# Altium PCB Evaluation Board.PcbDoc (part 6 of 22)
Units mm, origin at the board's own origin, x right, y up, seen from the top; angles counter-clockwise.
Board outline 200 x 200 mm, 4 copper layers (Top Layer, GND, Power, Bottom Layer), stack 1.56 mm thick; 639 components, 758 nets, 3043 pads, 1306 vias.
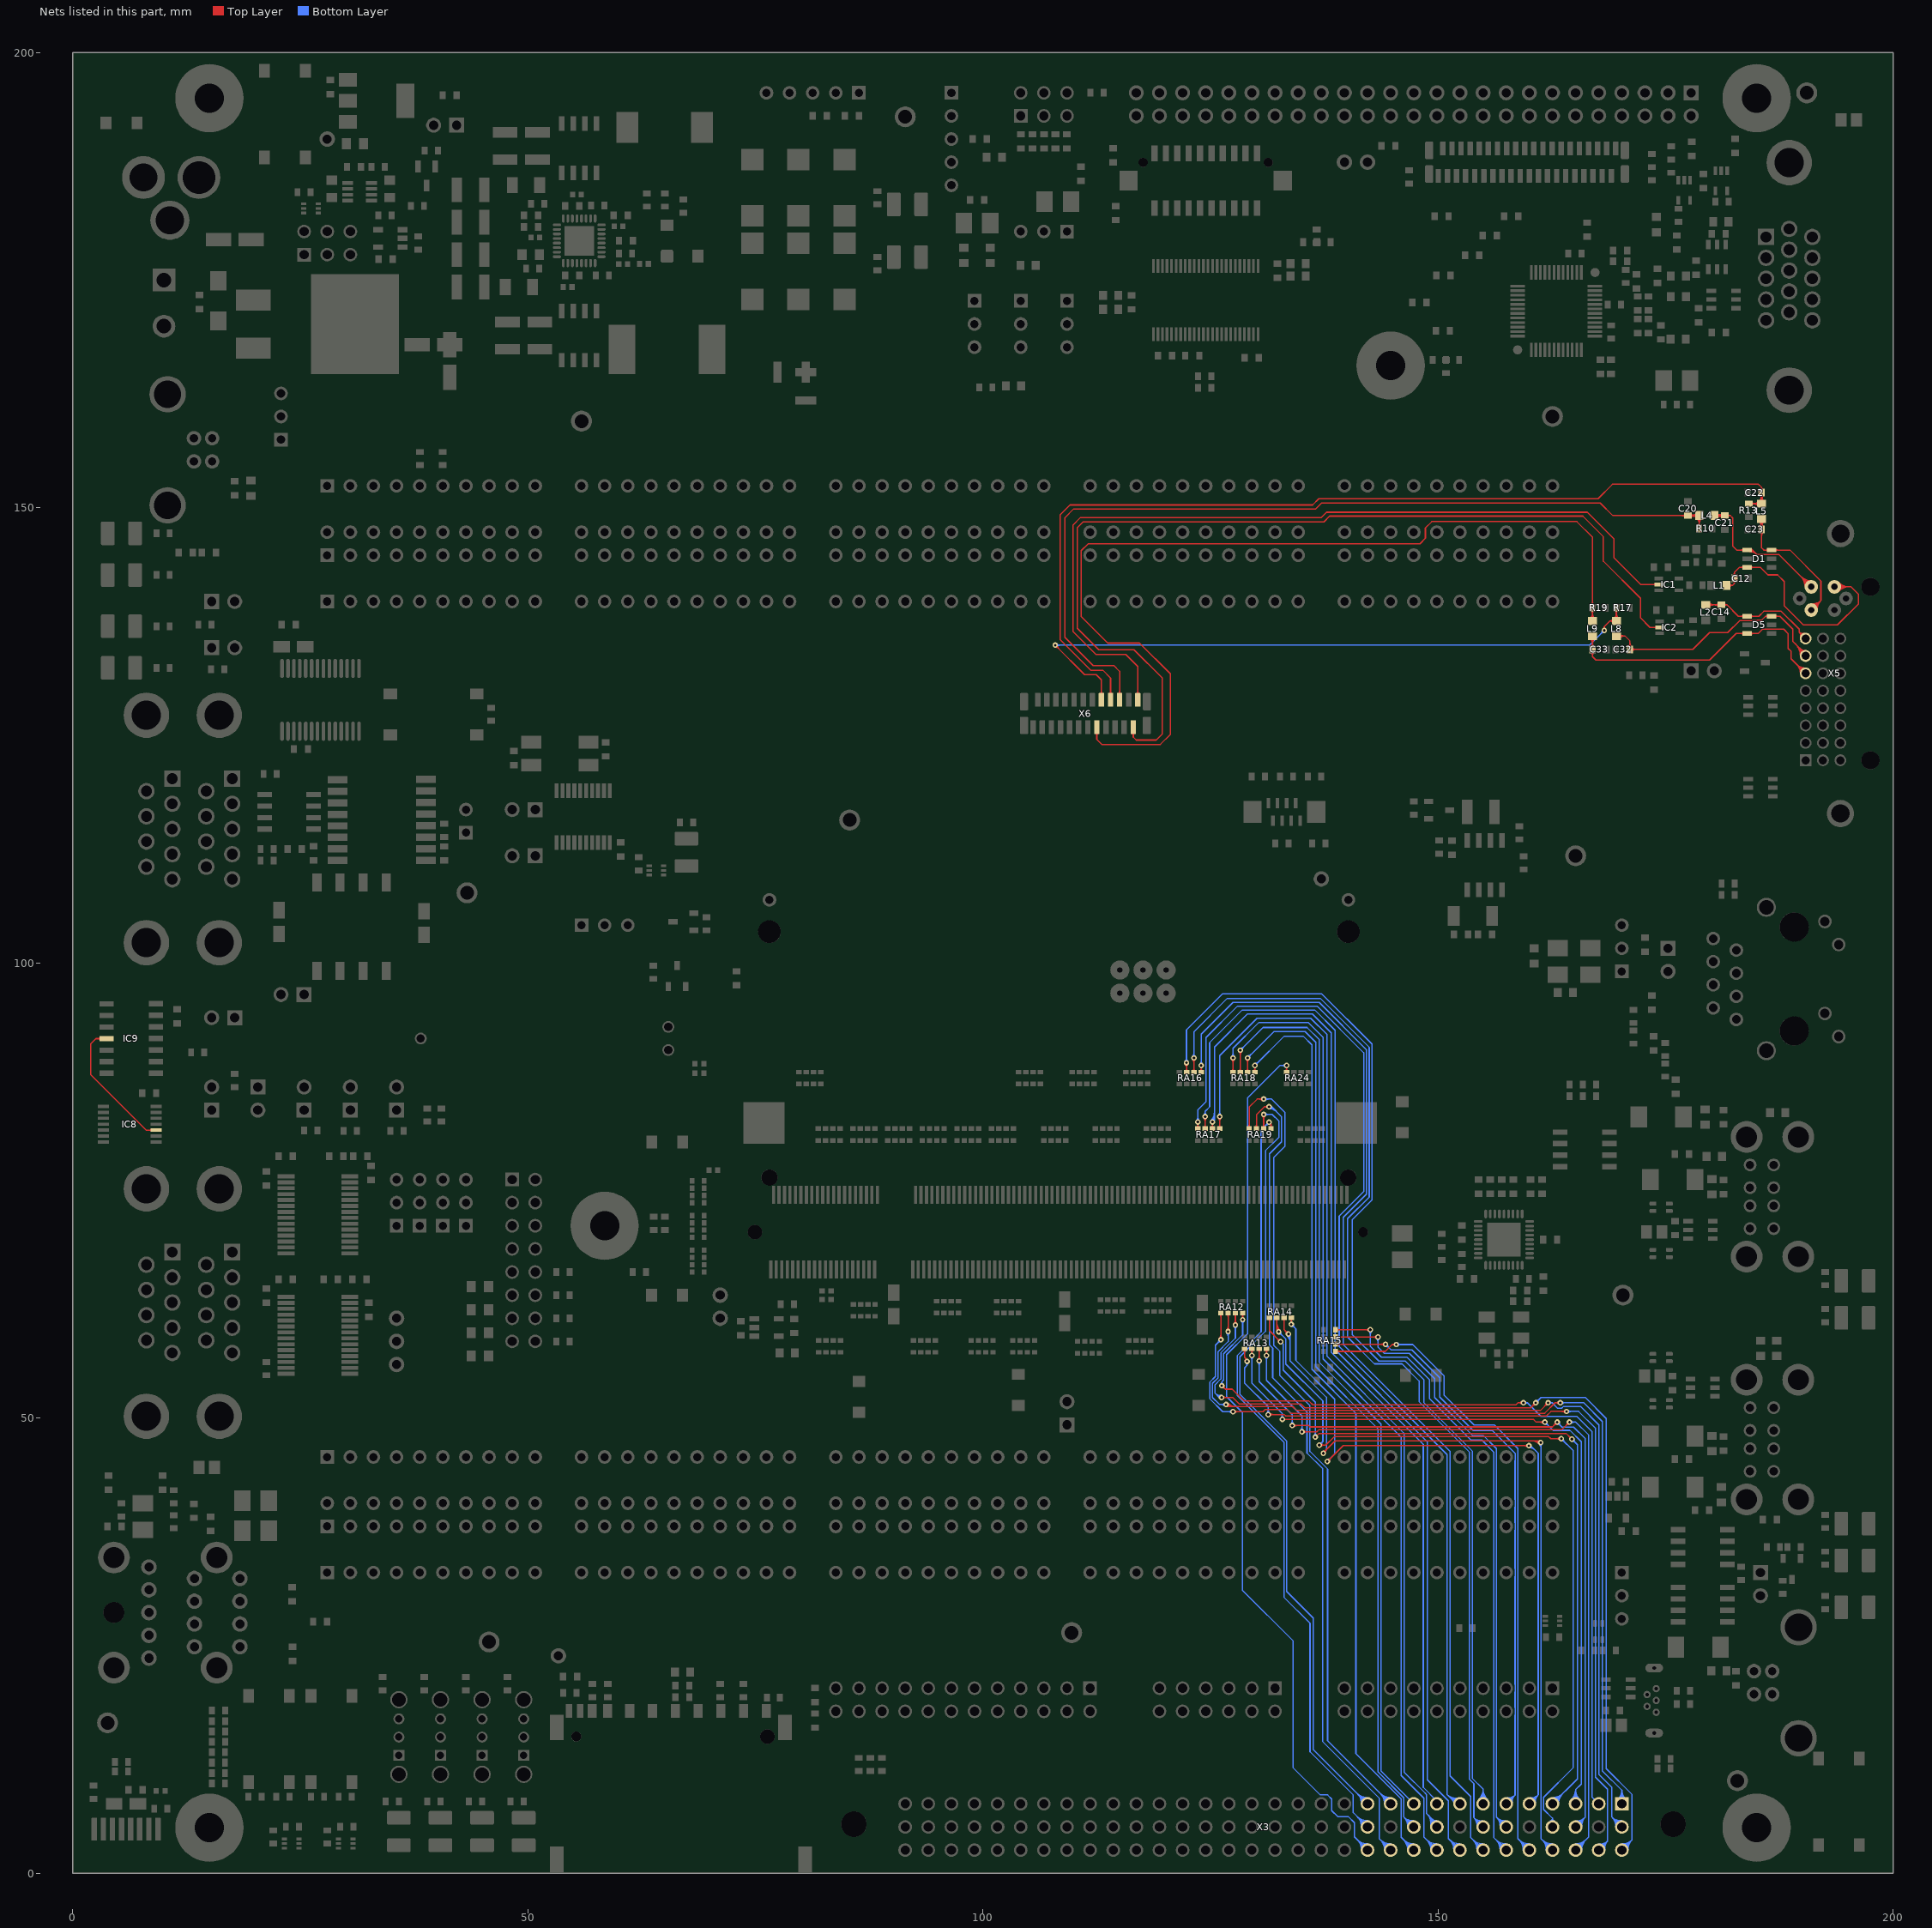
[diagram p8: the nets of this part, all layers, seen from the top]

## Via types
v1: diameter 0.6, hole 0.3, Top Layer to Bottom Layer, 1222 vias
v2: diameter 0.6, hole 0.3, Top Layer to Bottom Layer, tented both sides, 84 vias

## Nets (pads, with @x,y where several pads share a name; then routed paths per layer and width w, separated by ;. In a path a pad name is that pad's centre, name@x,y a point inside that pad or via, vN(x,y) a via of type N, cw(c..) or ccw(c..) an arc to the next point about the centre after c; other vN are vias at no path point) (continued)
CRT_GREEN: C21.1 D1.1 L4.2 X5.C2 | length 29.1
  Top Layer w0.15: L4.2@180.363,149.135 C21.1@181.491,149.135 182.115,149.135 ; L4.2@180.512,148.987 cw(c180.87,148.628) 180.87,149.135 cw(c180.87,149.642) L4.2@180.512,149.284 ; L4.2@180.618,148.881 cw(c181.232,148.266) 181.232,149.135 cw(c181.232,150.004) L4.2@180.618,149.39 ; C21.1@181.177,148.999 ccw(c180.75,148.756) 180.877,149.23 ccw(c180.967,149.565) C21.1@181.217,149.325 ; C21.1@181.177,149.271 cw(c180.75,149.514) 180.877,149.04 cw(c180.967,148.706) C21.1@181.217,148.945 ; C21.1@181.221,148.941 ccw(c180.752,148.471) 180.752,149.135 ccw(c180.752,149.799) C21.1@181.221,149.33 ; C21.1@181.786,148.971 cw(c182.115,148.725) 182.115,149.135 ; C21.1@181.786,149.3 ccw(c182.115,149.546) 182.115,149.135 ; D1.1@183.542,145.226 ccw(c183.244,144.928) 183.244,145.35 ccw(c183.244,145.773) D1.1@183.542,145.474 ; D1.1@183.941,145.35 182.8,145.35 182.375,145.775 182.375,148.875 182.115,149.135 ; D1.1@184.21,145.475 cw(c184.23,145.061) 184.523,145.354 ; D1.1@184.217,145.325 cw(c184.252,144.604) 184.762,145.115 ; D1.1@184.224,145.175 cw(c184.274,144.147) 185.002,144.875 ; 184.5,145.377 185.002,144.875 ; X5.C2@190.315,141.308 ccw(c188.685,141.308) 189.838,142.46 ccw(c190.99,143.612) X5.C2@190.99,141.983 ; X5.C2@190.465,141.308 ccw(c189.198,141.308) 190.094,142.204 ccw(c190.99,143.1) X5.C2@190.99,141.833 ; X5.C2@190.615,141.308 ccw(c189.71,141.308) 190.35,141.948 ccw(c190.99,142.588) X5.C2@190.99,141.683 ; X5.C2@190.99,141.308 187.423,144.875 185.002,144.875
CRT_GREEN_T: C20.1 L4.1 R10.1 X6.20 | length 106
  Top Layer w0.15: X6.20@114.843,129.501 ccw(c114.459,129.885) 115.002,129.885 ccw(c115.545,129.885) X6.20@115.161,129.501 ; X6.20@115.002,128.891 115.002,132.023 114.375,132.65 112.1,132.65 108.975,135.775 108.975,148.9 109.95,149.875 136.55,149.875 137.2,150.525 167.8,150.525 169.19,149.135 C20.1@177.461,149.135 L4.1@178.683,149.135 ; C20.1@177.192,148.941 ccw(c176.722,148.471) 176.722,149.135 ccw(c176.722,149.799) C20.1@177.192,149.33 ; C20.1@177.73,148.941 cw(c178.2,148.471) 178.2,149.135 cw(c178.2,149.799) C20.1@177.73,149.33 ; C20.1@177.732,148.943 cw(c178.023,148.658) 178.128,149.051 ; C20.1@177.732,149.328 ccw(c178.023,149.612) 178.128,149.219 ; C20.1@177.774,148.998 cw(c178.136,148.789) 178.028,149.193 ; C20.1@177.774,149.273 ccw(c178.136,149.482) 178.028,149.078 ; L4.1@178.429,148.816 cw(c177.814,148.201) 178.683,148.201 cw(c179.552,148.201) L4.1@178.938,148.816 ; L4.1@178.429,148.881 ccw(c177.814,148.266) 177.814,149.135 ccw(c177.814,150.004) L4.1@178.429,149.39 ; R10.1@178.507,147.996 ccw(c178.08,148.423) 178.683,148.423 ccw(c179.287,148.423) R10.1@178.86,147.996 ; L4.1@178.535,148.922 cw(c178.176,148.563) 178.683,148.563 cw(c179.19,148.563) L4.1@178.832,148.922 ; L4.1@178.535,148.987 ccw(c178.176,148.628) 178.176,149.135 ccw(c178.176,149.642) L4.1@178.535,149.284 ; R10.1@178.683,147.719 L4.1@178.683,149.135 ; L4.1@178.723,149.135 L4.1@178.683,149.135
CRT_HSYNC: C12.1 D1.3 L1.2 X5.C4 | length 34.8
  Top Layer w0.15: L1.2@181.688,141.478 182.353,141.478 ; L1.2@181.989,141.281 cw(c182.353,141.044) 182.353,141.478 ; L1.2@181.989,141.675 ccw(c182.353,141.912) 182.353,141.478 ; C12.1@182.372,142.527 ccw(c182.069,142.897) 182.547,142.897 ; C12.1@182.403,141.931 cw(c182.243,141.672) 182.547,141.672 ; C12.1@182.691,141.931 ccw(c182.851,141.672) 182.547,141.672 ; C12.1@182.722,142.527 cw(c183.025,142.897) 182.547,142.897 ; D1.3@183.542,143.326 ccw(c183.244,143.028) 183.244,143.45 ccw(c183.244,143.872) D1.3@183.542,143.574 ; D1.3@184.34,143.326 cw(c184.638,143.028) 184.638,143.45 cw(c184.638,143.872) D1.3@184.34,143.574 ; X5.C4@193.54,141.308 193.557,141.325 195.35,141.325 196.175,140.5 196.175,139.425 193.875,137.125 190.125,137.125 188.025,139.225 188.025,141.9 187.3,142.625 186.226,142.625 185.401,143.45 D1.3@183.941,143.45 183.1,143.45 182.547,142.897 ; X5.C4@193.805,141.042 cw(c194.488,140.36) 194.488,141.325 ; X5.C4@193.805,141.573 ccw(c194.403,142.171) 194.403,141.325 ; X5.C4@193.911,140.936 cw(c194.85,139.998) 194.85,141.325 ; X5.C4@193.911,141.679 ccw(c194.765,142.533) 194.765,141.325 ; X5.C4@194.017,140.83 cw(c195.212,139.636) 195.212,141.325 ; X5.C4@194.017,141.785 ccw(c195.127,142.895) 195.127,141.325 ; 182.353,141.478 182.547,141.672 ; 182.547,141.672 182.547,142.897
CRT_HSYNC_T: IC1.2 X6.24 | length 94.8
  Top Layer w0.15: X6.24@116.843,129.501 ccw(c116.459,129.885) 117.002,129.885 ccw(c117.545,129.885) X6.24@117.161,129.501 ; X6.24@117.002,128.891 117.002,132.548 115.675,133.875 112.4,133.875 109.9,136.375 109.9,148.125 110.67,148.895 137.12,148.895 137.725,149.5 166.4,149.5 169.325,146.575 169.325,144.5 172.255,141.57 IC1.2@174.234,141.57 ; IC1.2@173.871,141.481 ccw(c173.657,141.268) 173.657,141.57 ccw(c173.657,141.871) IC1.2@173.871,141.658
CRT_RED: C23.1 D1.6 L5.2 X5.C1 | length 27.2
  Top Layer w0.15: L5.2@185.286,148.507 cw(c184.672,147.893) 185.541,147.893 cw(c186.41,147.893) L5.2@185.795,148.507 ; C23.1@185.346,147.365 cw(c184.877,146.895) 185.541,146.895 cw(c186.205,146.895) C23.1@185.735,147.365 ; C23.1@185.346,147.904 ccw(c184.877,148.373) 185.541,148.373 ccw(c186.205,148.373) C23.1@185.735,147.904 ; C23.1@185.351,147.908 ccw(c185.111,148.158) 185.446,148.248 ccw(c185.92,148.375) C23.1@185.677,147.948 ; L5.2@185.392,148.613 cw(c185.034,148.255) 185.541,148.255 cw(c186.048,148.255) L5.2@185.689,148.613 ; C23.1@185.405,147.948 ccw(c185.162,148.375) 185.636,148.248 ccw(c185.971,148.158) C23.1@185.731,147.908 ; L5.2@185.541,148.762 C23.1@185.541,147.634 185.541,145.584 185.8,145.325 186.616,145.325 D1.6@186.641,145.35 188.65,145.35 192.05,141.95 192.05,139.817 X5.C1@190.99,138.758 ; 185.883,145.325 ccw(c185.883,145.833) D1.6@186.242,145.474 ; 186.004,145.325 cw(c186.004,144.988) D1.6@186.242,145.226 ; D1.6@187.04,145.226 cw(c187.339,144.928) 187.339,145.35 cw(c187.339,145.773) D1.6@187.04,145.474 ; X5.C1@191.013,139.132 ccw(c191.058,139.868) 191.579,139.346 ccw(c192.1,138.825) X5.C1@191.364,138.78 ; X5.C1@191.022,139.282 ccw(c191.085,140.312) 191.814,139.582 ccw(c192.544,138.852) X5.C1@191.514,138.789 ; X5.C1@191.031,139.431 ccw(c191.112,140.756) 192.05,139.817 ccw(c192.988,138.879) X5.C1@191.664,138.799
CRT_RED_T: C22.1 L5.1 R13.1 X6.18 | length 114.5
  Top Layer w0.15: X6.18@113.843,129.501 ccw(c113.459,129.885) 114.002,129.885 ccw(c114.545,129.885) X6.18@114.161,129.501 ; X6.18@114.002,128.891 114.002,131.298 113.15,132.15 111.825,132.15 108.45,135.525 108.45,149.2 109.55,150.3 136.2,150.3 136.9,151 167.575,151 169.15,152.575 185.2,152.575 185.541,152.234 ; R13.1@184.125,150.442 L5.1@185.541,150.442 C22.1@185.541,151.664 185.541,152.234 ; R13.1@184.402,150.265 cw(c184.828,149.838) 184.828,150.442 cw(c184.828,151.045) R13.1@184.402,150.619 ; L5.1@185.221,150.187 ccw(c184.607,149.573) 184.607,150.442 ccw(c184.607,151.311) L5.1@185.221,150.696 ; L5.1@185.286,150.696 ccw(c184.672,151.311) 185.541,151.311 ccw(c186.41,151.311) L5.1@185.795,150.696 ; L5.1@185.327,150.293 ccw(c184.969,149.935) 184.969,150.442 ccw(c184.969,150.949) L5.1@185.327,150.59 ; C22.1@185.346,151.395 cw(c184.877,150.925) 185.541,150.925 cw(c186.205,150.925) C22.1@185.735,151.395 ; C22.1@185.348,151.393 cw(c185.064,151.102) 185.457,150.997 ; L5.1@185.392,150.59 ccw(c185.034,150.949) 185.541,150.949 ccw(c186.048,150.949) L5.1@185.689,150.59 ; C22.1@185.396,151.972 ccw(c185.233,152.234) 185.541,152.234 ; C22.1@185.403,151.351 cw(c185.194,150.989) 185.598,151.097 ; 185.484,151.097 cw(c185.887,150.989) C22.1@185.678,151.351 ; 185.625,150.997 cw(c186.018,151.102) C22.1@185.733,151.393 ; C22.1@185.686,151.972 cw(c185.849,152.234) 185.541,152.234
CRT_VSYNC: C14.1 D5.4 L2.2 X5.8 | length 20.3
  Top Layer w0.15: L2.2@179.395,139.332 C14.1@180.753,139.332 ; L2.2@179.608,139.183 cw(c179.967,138.825) 179.967,139.332 cw(c179.967,139.839) L2.2@179.608,139.48 ; L2.2@179.715,139.077 cw(c180.329,138.462) 180.329,139.332 cw(c180.329,140.201) L2.2@179.715,139.586 ; C14.1@180.831,139.137 ccw(c180.361,138.668) 180.361,139.332 ccw(c180.361,139.995) C14.1@180.831,139.526 ; C14.1@181.1,139.332 181.744,139.332 ; C14.1@181.391,139.161 cw(c181.744,138.881) 181.744,139.332 ; C14.1@181.391,139.502 ccw(c181.744,139.782) 181.744,139.332 ; D5.4@183.542,137.963 ccw(c183.244,137.664) 183.244,138.087 ccw(c183.244,138.509) D5.4@183.542,138.21 ; D5.4@184.34,137.963 cw(c184.638,137.664) 184.638,138.087 cw(c184.638,138.509) D5.4@184.34,138.21 ; X5.8@189.814,135.775 ccw(c189.254,135.924) 189.664,136.334 ; X5.8@189.959,135.737 ccw(c189.545,135.846) 189.848,136.149 ccw(c190.151,136.452) X5.8@190.261,136.038 ; X5.8@190.223,136.183 cw(c190.074,136.744) 189.664,136.334 ; X5.8@190.272,135.628 X5.8@190.37,135.628 189.664,136.334 ; 181.744,139.332 182.988,138.087 D5.4@183.941,138.087 185.24,138.087 185.778,138.625 187.7,138.625 189.664,136.661 189.664,136.334
CRT_VSYNC_T: IC2.2 X6.23 | length 107.2
  Top Layer w0.15: X6.23@116.343,125.282 cw(c115.959,124.898) 116.502,124.898 cw(c117.045,124.898) X6.23@116.661,125.282 ; X6.23@116.502,125.891 116.502,124.798 116.825,124.475 119.026,124.475 119.7,125.149 119.7,131.275 116.575,134.4 112.7,134.4 110.35,136.75 110.35,147.8 111,148.45 137.45,148.45 138.075,149.075 165.9,149.075 168.15,146.825 168.15,144.125 172.225,140.05 172.225,137.9 173.273,136.852 IC2.2@174.334,136.852 ; IC2.2@173.971,136.763 ccw(c173.757,136.55) 173.757,136.852 ccw(c173.757,137.153) IC2.2@173.971,136.94
DATA_0: RA12.8 X3.A1 | length 109.1
  Top Layer w0.15: v1@125.966,58.759 ccw(c125.584,59.141) 126.124,59.141 ; RA12.8@126,61.416 cw(c125.702,61.117) 126.124,61.117 cw(c126.546,61.117) RA12.8@126.248,61.416 ; 126.124,59.146 ccw(c126.671,59.146) v1@126.284,58.759 ; RA12.8@126.124,61.54 126.124,58.601 v1(126.125,58.6) ; v1(127.457,50.698) 130.756,50.698 131.008,50.95 133.375,50.95 133.8,50.525 161.7,50.525 162.85,51.675 v1(163.425,51.675) ; v1@127.616,50.539 cw(c128,50.155) 128,50.698 cw(c128,51.242) v1@127.616,50.857 ; v1@163.266,51.516 ccw(c162.882,51.132) 162.882,51.675 ccw(c162.882,52.218) v1@163.266,51.834
  Bottom Layer w0.15: v1@125.9,58.6 cw(c125.357,58.6) 125.741,58.216 cw(c126.125,57.832) v1@126.125,58.375 ; v1(126.125,58.6) 125.525,58 125.525,54.55 124.9,53.925 124.9,52.14 126.341,50.698 v1(127.457,50.698) ; v1@127.298,50.539 ccw(c126.914,50.155) 126.914,50.698 ccw(c126.914,51.242) v1@127.298,50.857 ; v1(163.425,51.675) 166,51.675 168.05,49.625 168.05,11.231 170.18,9.101 ; v1@163.584,51.516 cw(c163.968,51.132) 163.968,51.675 cw(c163.968,52.218) v1@163.584,51.834 ; X3.A1@169.737,8.13 ccw(c168.894,9.101) 170.18,9.101 ; X3.A1@169.836,8.016 ccw(c169.179,8.772) 170.18,8.772 ccw(c171.181,8.772) X3.A1@170.524,8.016 ; X3.A1@169.934,7.903 ccw(c169.465,8.443) 170.18,8.443 ccw(c170.895,8.443) X3.A1@170.426,7.903 ; X3.A1@170.18,7.62 170.18,9.101 ; X3.A1@170.623,8.13 cw(c171.466,9.101) 170.18,9.101
DATA_1: RA12.7 X3.B1 | length 112.5
  Top Layer w0.15: v1@126.642,51.433 ccw(c127.069,51.86) 127.069,51.256 ; v1(126.695,51.486) 126.925,51.256 ; v1@126.748,51.539 ccw(c127.431,52.222) 127.431,51.256 ; v1@126.766,59.659 ccw(c126.384,60.041) 126.924,60.041 ; v1@126.788,51.281 cw(c126.839,51.169) 126.925,51.256 ; RA12.7@126.8,61.416 cw(c126.502,61.117) 126.924,61.117 cw(c127.346,61.117) RA12.7@127.048,61.416 ; v1@126.854,51.645 ccw(c127.793,52.584) 127.793,51.256 ; v1@126.9,51.393 ccw(c127.012,51.342) 126.925,51.256 ; 126.924,60.046 ccw(c127.471,60.046) v1@127.084,59.659 ; RA12.7@126.924,61.54 126.924,59.501 v1(126.925,59.5) ; v1@161.85,51.675 cw(c161.307,51.675) 161.691,51.291 cw(c162.075,50.907) v1@162.075,51.45 ; v1(162.075,51.675) 161.225,50.825 134.45,50.825 134.019,51.256 126.925,51.256
  Bottom Layer w0.15: v1@126.536,51.327 ccw(c126.152,50.943) 126.152,51.486 ccw(c126.152,52.029) v1@126.536,51.645 ; v1(126.695,51.486) 125.978,51.486 125.2,52.264 125.2,53.801 125.825,54.426 125.825,57.301 126.924,58.4 126.924,59.498 v1(126.925,59.5) ; v1@126.766,59.341 cw(c126.384,58.959) 126.924,58.959 ; 126.924,58.954 cw(c127.471,58.954) v1@127.084,59.341 ; v1(162.075,51.675) 162.525,51.675 ; v1@162.255,51.54 cw(c162.525,51.338) 162.525,51.675 ; v1@162.255,51.81 ccw(c162.525,52.012) 162.525,51.675 ; X3.B1@169.506,5.106 ccw(c168.077,5.161) 169.088,6.172 ; X3.B1@169.655,5.1 ccw(c168.544,5.143) 169.331,5.929 ccw(c170.117,6.716) X3.B1@170.16,5.605 ; X3.B1@169.805,5.094 ccw(c169.012,5.125) 169.573,5.687 ccw(c170.135,6.248) X3.B1@170.166,5.455 ; X3.B1@170.154,5.754 cw(c170.099,7.183) 169.088,6.172 ; X3.B1@170.18,5.08 169.088,6.172 ; 162.525,51.675 163.125,51.075 163.567,51.075 163.767,51.275 165.625,51.275 167.675,49.225 167.675,10.85 169.088,9.437 169.088,6.172
DATA_2: RA12.6 X3.C1 | length 115.5
  Top Layer w0.15: v1(126.2,52.25) 126.2,52.255 126.207,52.263 127.438,52.263 128.145,51.556 134.919,51.556 135.35,51.125 160.175,51.125 v1(160.725,51.675) ; v1@126.359,52.091 cw(c126.774,51.676) 126.774,52.263 ; v1@126.359,52.409 ccw(c126.712,52.762) 126.712,52.263 ; v1@127.565,60.382 ccw(c127.181,60.767) 127.724,60.767 ccw(c128.267,60.767) v1@127.883,60.382 ; RA12.6@127.6,61.416 cw(c127.302,61.117) 127.724,61.117 cw(c128.146,61.117) RA12.6@127.848,61.416 ; v1(127.724,60.223) RA12.6@127.724,61.54 ; v1@160.5,51.675 cw(c159.957,51.675) 160.341,51.291 cw(c160.725,50.907) v1@160.725,51.45
  Bottom Layer w0.15: 125.718,52.488 ccw(c126.123,52.893) v1@126.191,52.324 ; v1@126.173,52.473 cw(c126.076,53.283) 125.5,52.706 ; v1(126.2,52.25) 125.956,52.25 125.5,52.706 ; v1@127.565,60.064 cw(c127.181,59.68) 127.724,59.68 cw(c128.267,59.68) v1@127.883,60.064 ; v1(127.724,60.223) 127.724,58.775 126.125,57.176 126.125,54.301 125.5,53.676 125.5,52.706 ; v1(160.725,51.675) 161.298,52.248 166.177,52.248 168.475,49.95 168.475,11.475 171.275,8.675 171.275,3.635 ; v1@160.725,51.9 ccw(c160.725,52.443) 161.109,52.059 ccw(c161.493,51.675) v1@160.95,51.675 ; X3.C1@170.18,2.54 171.275,3.635 ; X3.C1@170.194,2.915 ccw(c170.223,3.713) 170.788,3.148 ccw(c171.353,2.583) X3.C1@170.555,2.554 ; X3.C1@170.199,3.065 ccw(c170.24,4.183) 171.032,3.392 ccw(c171.823,2.6) X3.C1@170.705,2.559 ; X3.C1@170.205,3.215 ccw(c170.258,4.652) 171.275,3.635 ; X3.C1@170.855,2.565 cw(c172.292,2.618) 171.275,3.635
DATA_3: RA12.5 X3.A2 | length 97.4
  Top Layer w0.15: v1(126.225,53.55) 126.6,53.175 ; v1@126.229,53.325 cw(c126.238,52.813) 126.6,53.175 ; v1@126.45,53.546 ccw(c126.962,53.537) 126.6,53.175 ; RA12.5@128.4,61.416 cw(c128.102,61.117) 128.524,61.117 cw(c128.946,61.117) RA12.5@128.648,61.416 ; v1(128.524,60.808) RA12.5@128.524,61.54 ; v1@159.216,51.516 ccw(c158.832,51.132) 158.832,51.675 ccw(c158.832,52.218) v1@159.216,51.834 ; v1(159.375,51.675) 158.775,51.675 158.55,51.45 136.225,51.45 135.819,51.856 128.694,51.856 127.375,53.175 126.6,53.175
  Bottom Layer w0.15: v1@126.098,53.736 ccw(c125.932,53.977) 126.225,53.977 ; v1(126.225,53.55) 126.225,53.977 ; v1@126.352,53.736 cw(c126.518,53.977) 126.225,53.977 ; v1@128.365,60.649 cw(c127.981,60.264) 128.524,60.264 cw(c129.067,60.264) v1@128.683,60.649 ; v1(128.524,60.808) 128.524,59.151 126.425,57.052 126.425,54.177 126.225,53.977 ; v1(159.375,51.675) 159.8,51.675 ; v1@159.561,51.549 cw(c159.8,51.386) 159.8,51.675 ; v1@159.561,51.801 ccw(c159.8,51.964) 159.8,51.675 ; X3.A2@167.64,7.62 166.925,8.335 166.925,48.475 165.225,50.175 161.3,50.175 159.8,51.675
DATA_4: RA13.8 X3.C2 | length 102.8
  Top Layer w0.15: RA13.8@128.616,57.479 cw(c128.318,57.18) 128.74,57.18 cw(c129.163,57.18) RA13.8@128.864,57.479 ; RA13.8@128.74,57.603 128.74,56.685 ; v1@128.799,56.325 ccw(c128.52,56.465) 128.74,56.685 ; 128.887,56.538 cw(c128.716,56.366) v1@128.933,56.258 ; v1(129,56.225) 129,56.425 128.74,56.685 ; v1(131.325,50.375) 131.375,50.325 131.425,50.325 131.485,50.385 133.098,50.385 133.258,50.225 161.9,50.225 162.4,50.725 v1(164.1,50.725) ; v1@131.484,50.216 cw(c131.893,49.807) 131.893,50.385 ; v1@131.484,50.534 ccw(c131.844,50.894) 131.844,50.385 ; v1@163.941,50.566 ccw(c163.557,50.182) 163.557,50.725 ccw(c163.557,51.268) v1@163.941,50.884
  Bottom Layer w0.15: v1@128.865,56.045 cw(c128.663,55.775) 129,55.775 ; v1(129,56.225) 129,55.775 ; v1@129.135,56.045 ccw(c129.337,55.775) 129,55.775 ; v1@131.166,50.534 ccw(c130.782,50.918) 131.325,50.918 ccw(c131.868,50.918) v1@131.484,50.534 ; v1(131.325,50.375) 131.325,51.25 128.74,53.835 128.74,55.515 129,55.775 ; v1(164.1,50.725) 165.425,50.725 167.275,48.875 167.275,10.55 168.615,9.21 168.615,3.515 ; v1@164.259,50.566 cw(c164.643,50.182) 164.643,50.725 cw(c164.643,51.268) v1@164.259,50.884 ; X3.C2@167.64,2.54 168.615,3.515 ; X3.C2@167.687,2.912 ccw(c167.761,3.502) 168.182,3.082 ccw(c168.602,2.661) X3.C2@168.012,2.587 ; X3.C2@167.706,3.061 ccw(c167.809,3.887) 168.398,3.298 ccw(c168.987,2.709) X3.C2@168.161,2.606 ; X3.C2@167.724,3.21 ccw(c167.858,4.272) 168.615,3.515 ; X3.C2@168.31,2.624 cw(c169.372,2.758) 168.615,3.515
DATA_5: RA13.7 X3.A3 | length 92.7
  Top Layer w0.15: RA13.7@129.416,57.479 cw(c129.118,57.18) 129.54,57.18 cw(c129.963,57.18) RA13.7@129.664,57.479 ; v1(129.54,56.871) RA13.7@129.54,57.603 ; v1@132.842,49.886 132.878,49.85 160.469,49.85 160.769,49.55 v1(161.725,49.55) ; v1@161.566,49.391 ccw(c161.182,49.007) 161.182,49.55 ccw(c161.182,50.093) v1@161.566,49.709
  Bottom Layer w0.15: v1@129.381,56.712 cw(c128.997,56.327) 129.54,56.327 cw(c130.083,56.327) v1@129.699,56.712 ; v1(129.54,56.871) 129.54,53.835 132.867,50.508 132.867,49.911 v1@132.842,49.886 ; v1@132.721,50.019 ccw(c132.368,50.373) 132.867,50.373 ; 132.867,50.434 ccw(c133.454,50.434) v1@133.039,50.019 ; v1@161.725,49.325 cw(c161.725,48.782) 162.109,49.166 cw(c162.493,49.55) v1@161.95,49.55 ; v1(161.725,49.55) 162.632,48.643 164.474,48.643 165.725,47.392 165.725,9.8 165.1,9.175 ; X3.A3@164.639,8.113 ccw(c163.647,9.175) 165.1,9.175 ; X3.A3@164.741,8.004 ccw(c163.97,8.829) 165.1,8.829 ccw(c166.23,8.829) X3.A3@165.459,8.004 ; X3.A3@164.844,7.894 ccw(c164.293,8.484) 165.1,8.484 ccw(c165.907,8.484) X3.A3@165.356,7.894 ; X3.A3@165.1,7.62 165.1,9.175 ; X3.A3@165.561,8.113 cw(c166.553,9.175) 165.1,9.175
  other v1: 132.88,49.86
DATA_6: RA13.6 X3.B3 | length 97.2
  Top Layer w0.15: v1@130.181,56.445 ccw(c129.797,56.83) 130.34,56.83 ccw(c130.883,56.83) v1@130.499,56.445 ; RA13.6@130.216,57.479 cw(c129.918,57.18) 130.34,57.18 cw(c130.763,57.18) RA13.6@130.464,57.479 ; v1(130.34,56.286) RA13.6@130.34,57.603 ; v1(133.96,49.174) 135.776,49.174 135.925,49.025 162.55,49.025 v1(163.075,49.55) ; v1@134.119,49.015 cw(c134.503,48.631) 134.503,49.174 cw(c134.503,49.718) v1@134.119,49.333 ; v1@162.85,49.55 cw(c162.307,49.55) 162.691,49.166 cw(c163.075,48.782) v1@163.075,49.325
  Bottom Layer w0.15: v1@130.181,56.127 cw(c129.797,55.743) 130.34,55.743 cw(c130.883,55.743) v1@130.499,56.127 ; v1(130.34,56.286) 130.34,53.985 133.96,50.365 v1(133.96,49.174) ; v1@133.801,49.333 ccw(c133.416,49.718) 133.96,49.718 ccw(c134.503,49.718) v1@134.119,49.333 ; v1@163.075,49.325 cw(c163.075,48.782) 163.459,49.166 cw(c163.843,49.55) v1@163.3,49.55 ; v1(163.075,49.55) 163.612,49.013 164.888,49.013 166.15,47.75 166.15,6.13 ; X3.B3@165.1,5.08 166.15,6.13 ; X3.B3@165.125,5.454 ccw(c165.174,6.172) 165.683,5.663 ccw(c166.192,5.154) X3.B3@165.474,5.105 ; X3.B3@165.136,5.604 ccw(c165.204,6.609) 165.917,5.897 ccw(c166.629,5.184) X3.B3@165.624,5.116 ; X3.B3@165.146,5.753 ccw(c165.234,7.046) 166.15,6.13 ; X3.B3@165.773,5.126 cw(c167.066,5.214) 166.15,6.13
DATA_7: RA13.5 X3.C3 | length 100.4
  Top Layer w0.15: RA13.5@131.016,57.479 cw(c130.718,57.18) 131.14,57.18 cw(c131.563,57.18) RA13.5@131.264,57.479 ; v1(131.14,56.871) RA13.5@131.14,57.603 ; v1(135.039,48.489) 135.045,48.483 136.654,48.483 136.871,48.7 163.575,48.7 v1(164.425,49.55) ; v1@135.198,48.33 cw(c135.569,47.959) 135.569,48.483 ; v1@135.198,48.648 ccw(c135.596,49.045) 135.596,48.483 ; v1@164.2,49.55 cw(c163.657,49.55) 164.041,49.166 cw(c164.425,48.782) v1@164.425,49.325
  Bottom Layer w0.15: v1@130.981,56.712 cw(c130.597,56.327) 131.14,56.327 cw(c131.683,56.327) v1@131.299,56.712 ; v1(131.14,56.871) 131.14,54.135 135.039,50.236 v1(135.039,48.489) ; v1@134.88,48.648 ccw(c134.496,49.032) 135.039,49.032 ccw(c135.582,49.032) v1@135.198,48.648 ; v1(164.425,49.55) 165.125,49.55 166.55,48.125 166.55,3.99 X3.C3@165.1,2.54 ; v1@164.584,49.391 cw(c164.968,49.007) 164.968,49.55 cw(c164.968,50.093) v1@164.584,49.709 ; X3.C3@165.1,2.915 ccw(c165.1,3.82) 165.74,3.18 ccw(c166.38,2.54) X3.C3@165.475,2.54 ; X3.C3@165.1,3.065 ccw(c165.1,4.332) 165.996,3.436 ccw(c166.892,2.54) X3.C3@165.625,2.54 ; X3.C3@165.1,3.215 ccw(c165.1,4.845) 166.252,3.692 ccw(c167.405,2.54) X3.C3@165.775,2.54